# Altium PCB CT9042 Main Board with transformers.PcbDoc (part 1 of 2) (continued)
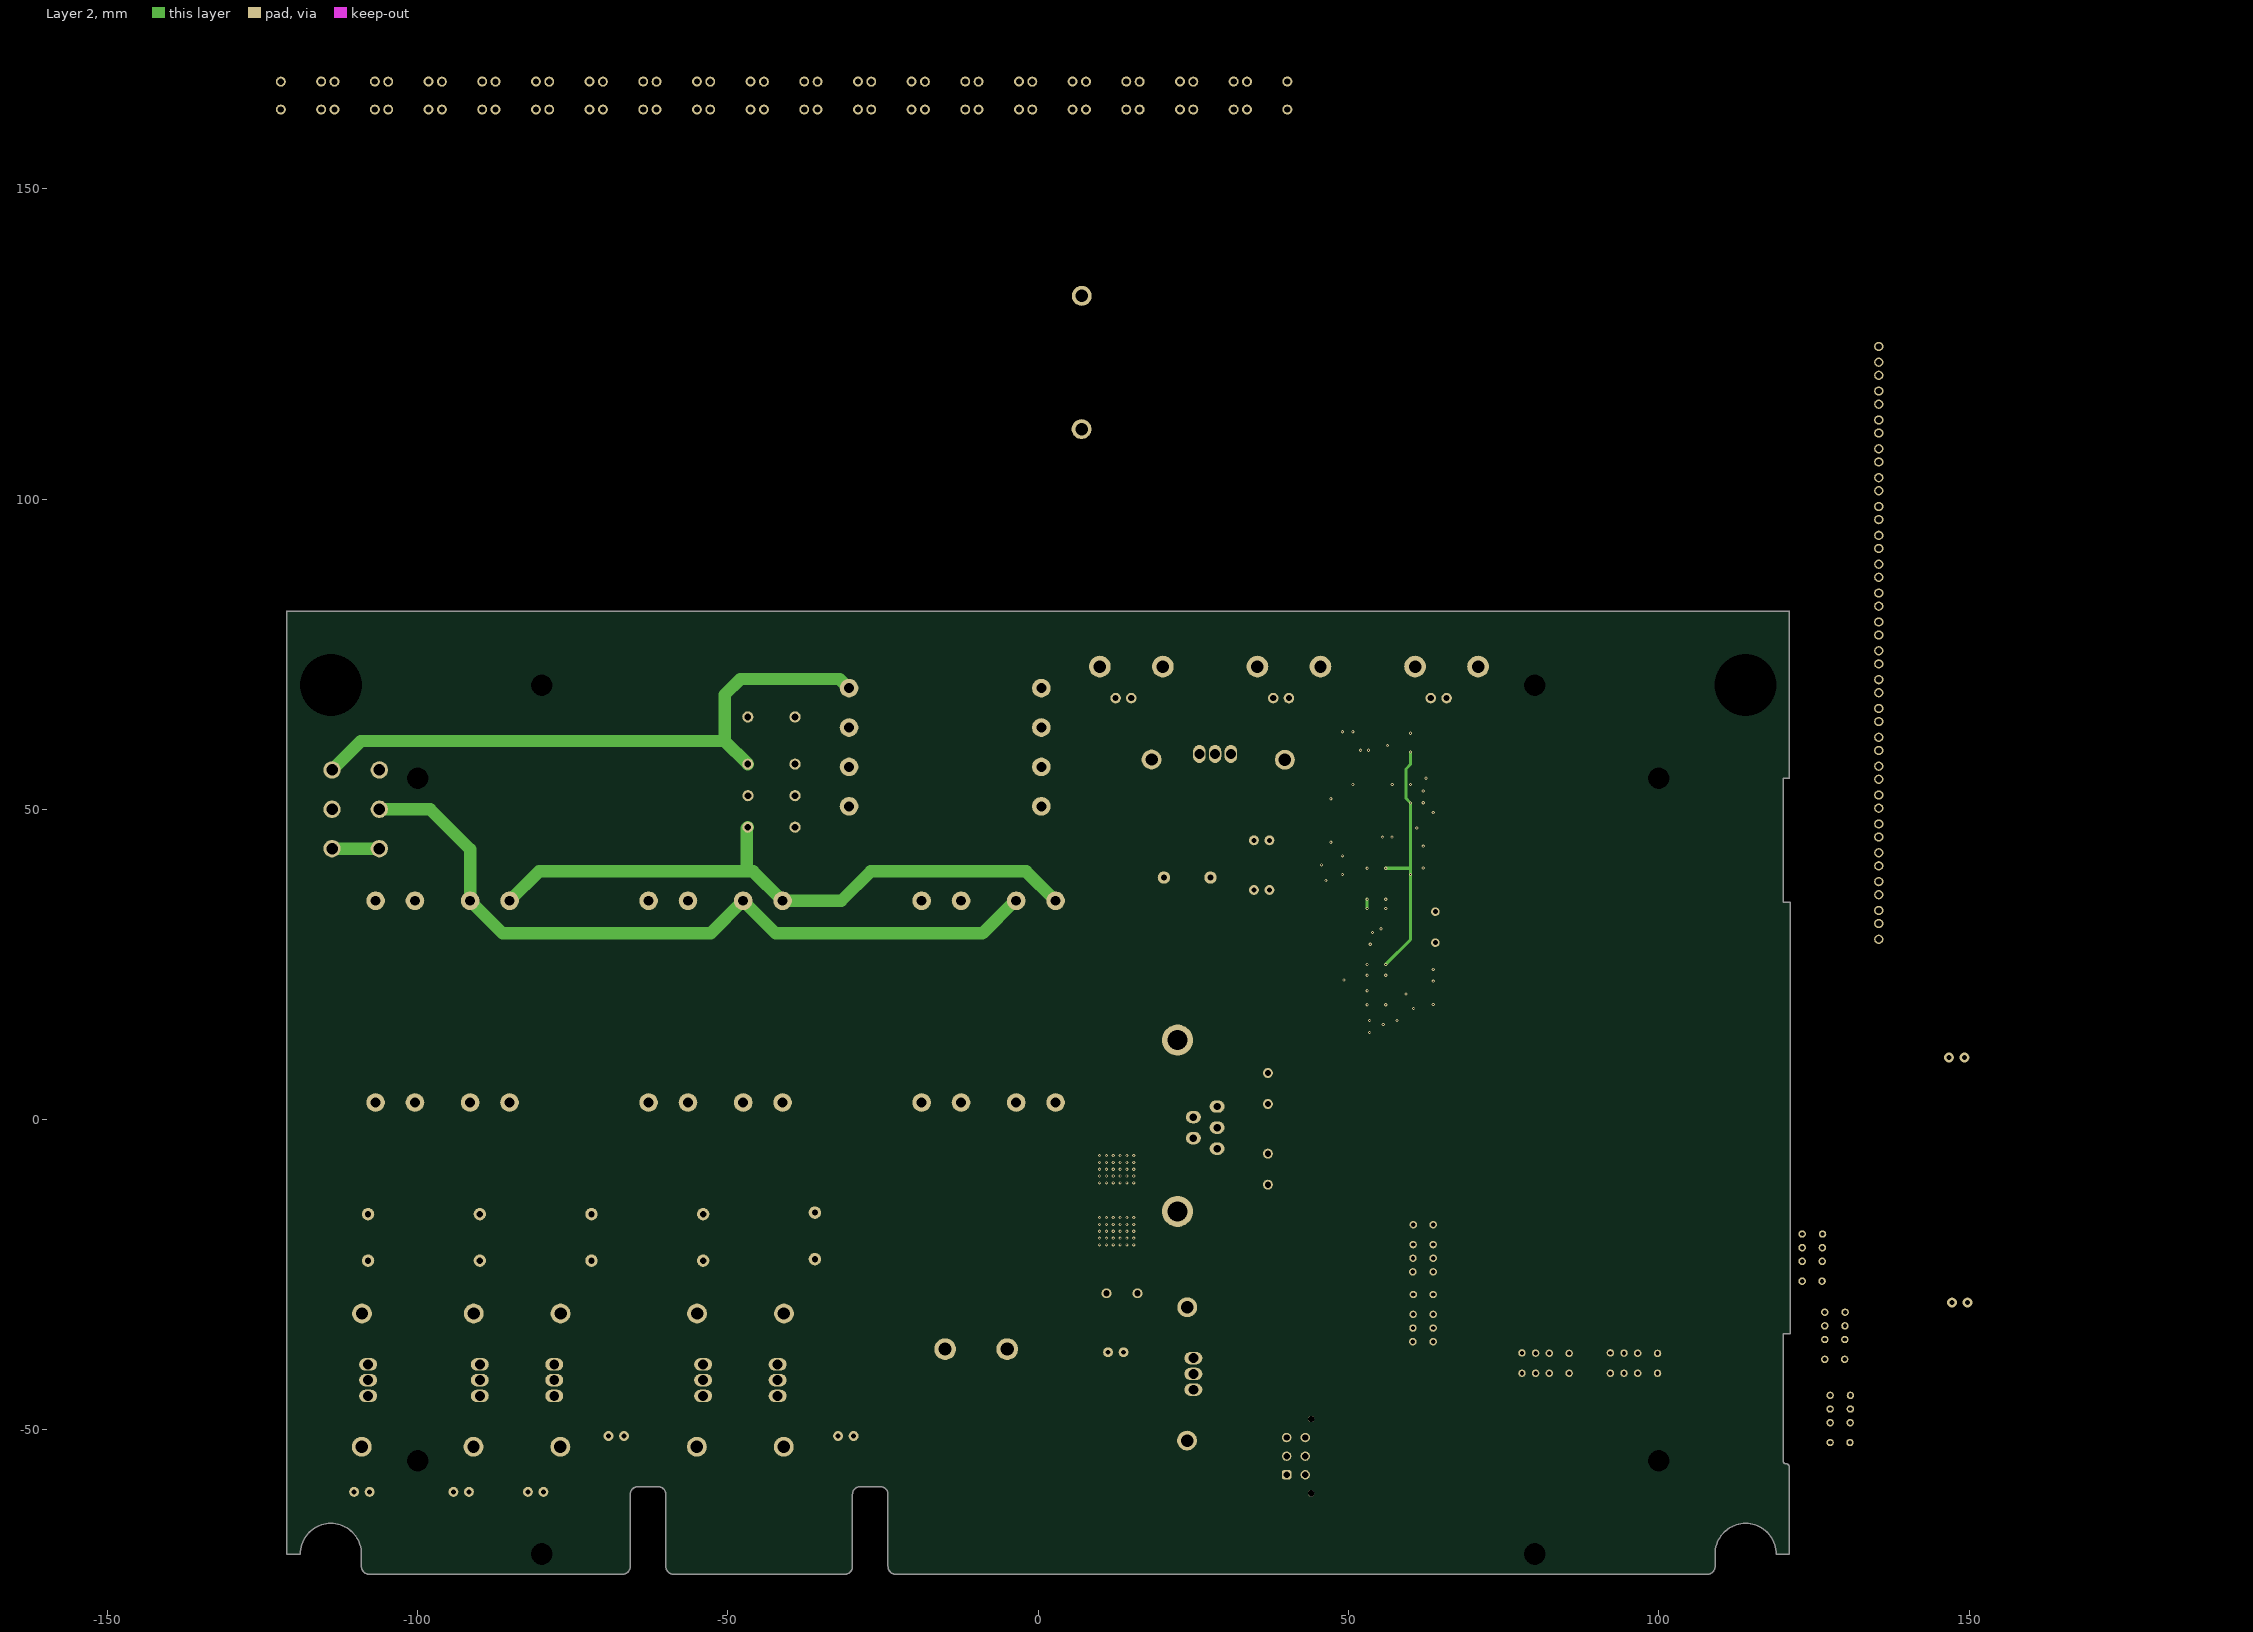
[diagram p3: Layer 2]

## Layer stack, top to bottom
Top Solder: solder mask 0.0102, Solder Resist, Dk 3.5
Top Layer: signal copper 0.0356
Dielectric 2: prepreg 0.1016, Core-009, Dk 4.5
Layer 1: signal copper 0.035
Dielectric 1: dielectric 1.45, FR-4, Dk 4.8
Layer 2: signal copper 0.035
Dielectric 3: prepreg 0.1016, Core-009, Dk 4.5
Bottom Layer: signal copper 0.0356
Bottom Solder: solder mask 0.0102, Solder Resist, Dk 3.5

## Board outline
-109.069,-72.005 ccw(c-107.774,-72.005) -107.774,-73.3 -67.045,-73.3 ccw(c-67.045,-72.005) -65.75,-72.005 -65.75,-60.401 cw(c-64.505,-60.401) -64.505,-59.157 -61.273,-59.157 cw(c-61.273,-60.401) -60.028,-60.401 -60.028,-72.005 ccw(c-58.733,-72.005) -58.733,-73.3 -31.232,-73.3 ccw(c-31.232,-72.005) -29.937,-72.005 -29.937,-60.401 cw(c-28.692,-60.401) -28.692,-59.157 -25.46,-59.157 cw(c-25.46,-60.401) -24.216,-60.401 -24.216,-72.005 ccw(c-22.92,-72.005) -22.92,-73.3 107.774,-73.3 107.775,-73.3 ccw(c107.774,-72.005) 109.069,-72.005 109.069,-70.508 109.075,-70.489 109.075,-70 cw(c114,-70) 118.925,-70 118.95,-70.025 121,-70.025 121.025,-70 121.025,-56 ccw(c120.5,-56) 120.5,-55.475 cw(c120.5,-55) 120.025,-55 120.025,-34.525 121.125,-34.525 121.15,-34.5 121.15,35 121.125,35.025 120.025,35.025 120.025,54.975 121,54.975 121.025,55 121.025,81.9 121,81.925 -121.111,81.925 -121.136,81.9 -121.136,-70 -121.111,-70.025 -118.95,-70.025 -118.925,-70 cw(c-114,-70) -109.075,-70 -109.075,-70.489 -109.069,-70.508

## Design rules (kind name [scope] priority, off if disabled: settings)
Clearance [All] p1: gap=0.15 ignorepadtopadclearanceinfootprint=FALSE
ComponentClearance [All] p1 off: gap=0.254 collisioncheckmode=3 verticalgap=0.254 showdistances=FALSE
Height [All] p1 off: minheight=0 maxheight=25.4 prefheight=12.7
PolygonConnect [All] p1: connectstyle=Relief reliefconductorwidth=0.254 reliefentries=4 polygonreliefangle="90 Angle" airgapwidth=0.254
RoutingVias [All] p1: holewidth=0.2 width=0.5 viastyle="Through Hole" minholewidth=0.2 minwidth=0.5 maxholewidth=0.3 maxwidth=0.5
SolderMaskExpansion [All] p1: expansion=0.102 istentingtop=FALSE
SupplyNets "Schematic Supply Nets_17" [InNet('P15VA')] p1: voltage=0.000
SupplyNets "Schematic Supply Nets_15" [InNet('FGND')] p2: voltage=0.000
SupplyNets "Schematic Supply Nets_14" [InNet('N5VA')] p3: voltage=0.000
SupplyNets "Schematic Supply Nets_13" [InNet('AGND')] p4: voltage=0.000
SupplyNets "Schematic Supply Nets_12" [InNet('P56V')] p5: voltage=0.000
SupplyNets "Schematic Supply Nets_11" [InNet('GND')] p6: voltage=0.000
SupplyNets "Schematic Supply Nets_10" [InNet('P5VA')] p7: voltage=0.000
SupplyNets "Schematic Supply Nets_9" [InNet('P40V')] p8: voltage=0.000
SupplyNets "Schematic Supply Nets_8" [InNet('N56V')] p9: voltage=0.000
SupplyNets "Schematic Supply Nets_7" [InNet('FP5VD')] p10: voltage=0.000
SupplyNets "Schematic Supply Nets_5" [InNet('N40V')] p11: voltage=0.000
SupplyNets "Schematic Supply Nets_4" [InNet('VREF')] p12: voltage=0.000
SupplyNets "Schematic Supply Nets_3" [InNet('P5VD')] p13: voltage=0.000
SupplyNets "Schematic Supply Nets_2" [InNet('P48V')] p14: voltage=0.000
SupplyNets "Schematic Supply Nets_1" [InNet('P5VREL')] p15: voltage=0.000
SupplyNets "Schematic Supply Nets" [InNet('N15VA')] p16: voltage=0.000
Width [All] p1: maxlimit=3 minlimit=0.15 preferedwidth=0.2
28 further rules are at their usual default settings.

## Classes and differential pairs
component class "CT9042 Toplevel": JX JY JZ
component class U_SWEEP: C33 C72 C73 C74 C75 C76 C77 C78 C79 C80 D22 D80 D81 D82 D83 D84 D85 D86 D87 D217 D220 D221 D222 D223 D224 D225 D226 D227 D228 D229 Q19 Q20 Q21 Q22 Q23 Q217 R31 R32 R33 R110 R138 R139 R140 R141 R142 R143 R144 R145 R146 R147 R148 R149 R154 R155 SW22 U7 U12 U16 U25 U1000 U1001 U1002
component class U_PSU: * *1 *2 C38 C39 C40 C41 C42 C43 C44 C45 C46 C47 C48 C49 C50 C51 C52 C53 C54 C55 C56 C57 C58 C59 C60 C61 C62 D46 D47 D48 D49 D50 D51 D52 D53 D54 D55 D56 D57 D58 D59 D60 D61 D62 D63 D64 D65 D66 D67 D68 D69 D70 D71 D72 D73 D74 D75 D79 HS1 HS2 HS3 HS4 HS5 HS6 J9 K12 SW21 TR1 TR2 TR3 TR4 U18 U19 U20 U21 U22 U23
component class U_PSU48: C63 C64 C65 C66 C67 D76 D77 D78 HS7 HS8 Q15 Q16 Q17 Q18 R132 R133 R134 R135 R136 R137 U24
component class U_PROCESSOR: U4 U5 U6
component class U_POWERMUX: D39 D40 D41 D42 D43 D44 D45 J3 J4 J5 J6 J7 J8 K6 K7 K8 K9 K10 K11 P1 P2 P3 P4 P5 P6 Q11 Q12 Q13 Q14 R119 R121 R122 R123 R124 R126 R128 R129 R130 R131 U17
component class U_POWERAMP: C26 C27 C28 C68 C69 C70 C71 C81 C83 C84 D34 D35 D36 D37 D215 D231 HS9 K1 K2 Q9 Q10 R78 R79 R80 R81 R82 R83 R84 R85 R86 R87 R88 R89 R90 R91 R92 R93 R94 R95 R96 R97 R98 R99 R100 R101 R102 R103 R104 R105 R106 R107 R108 R241 R242 R243 R257 R261 R314 R316 U11 U30 U31 U32 U213 VR202 VR211
component class U_MULTIPLIER: C29 C30 C31 C32 C34 C35 C36 C37 C82 C217 D38 R109 R111 R112 R113 R114 R115 R116 R117 R118 R150 R151 R152 R153 R218 R270 R271 R272 R273 R277 R278 R279 R280 U13 U14 U15 U26 U101
component class U_IBVG-DRIVER: C10 C11 C12 C13 C14 C15 C16 C17 C18 C19 C20 C21 C22 C23 C24 C25 C234 D23 D24 D25 D26 D27 D28 D29 D30 D31 D32 D33 K3 K4 K5 Q2 Q3 Q4 Q5 Q6 Q7 Q8 Q201 R34 R35 R36 R37 R38 R39 R40 R41 R42 R43 R44 R45 R46 R47 R48 R49 R50 R51 R52 R53 R54 R55 R56 R57 R58 R59 R60 R61 R62 R63 R64 R65 R66 R67 R68 R69 R70 R71 R72 R73 R74 R75 R76 R77 R207 U8 U9 U10 U203 U206 U208 U209
component class U_FrontPanel: C1 C2 C3 C4 C5 C6 C7 C8 C9 D1 D2 D3 D4 D5 D6 D7 D8 D9 D10 D11 D12 D13 D14 D15 D16 D17 D18 D19 D20 D21 DISP1 J1 J2 Q1 R1 R2 R3 R4 R5 R6 R7 R8 R9 R10 R11 R12 R13 R14 R15 R16 R17 R18 R19 R20 R21 R22 R23 R24 R25 R26 R27 R28 R29 R30 SW1 SW2 SW3 SW4 SW5 SW6 SW7 SW8 SW9 SW10 SW11 SW12 SW13 SW14 SW15 SW16 SW17 SW18 SW19 SW20 U1 U2 U3

## Components (designator, comment, footprint, x,y, rotation, side; value= is the part's Value field where it differs from the comment)
C1 "CAP0603" CAPC0603 129.949,134.86 r90 top
C2 "CAP0805" CAPC0805 129.749,131.785 r90 top
C3 "CAP0805" CAPC0805 129.749,121.285 r90 top
C4 "CAP0603" CAPC0603 129.949,145.46 r90 top
C5 "CAP0805" CAPC0805 129.749,107.285 r90 top
C6 "CAP0603" CAPC0603 129.949,142.81 r90 top
C7 "CAP0805" CAPC0805 129.749,110.785 r90 top
C8 "CAP0603" CAPC0603 129.949,140.16 r90 top
C9 "CAP0805" CAPC0805 129.749,117.785 r90 top
C10 "CAP0603" CAPC0603 129.399,58.26 r180 top
C11 "CAP0603" CAPC0603 129.949,148.11 r90 top
C12 "CAP0603" CAPC0603 129.399,59.81 r180 top
C13 "CAP0603" CAPC0603 129.399,61.36 r180 top
C14 "CAP0603" CAPC0603 129.399,56.71 r180 top
C15 "CAP0603" CAPC0603 129.399,52.06 r180 top
C16 "CAP0603" CAPC0603 129.399,53.61 r180 top
C17 "CAP0603" CAPC0603 129.399,55.16 r180 top
C18 "CAP0603" CAPC0603 129.399,62.91 r180 top
C19 "CAP0603" CAPC0603 129.399,70.66 r180 top
C20 "CAP0603" CAPC0603 129.399,72.21 r180 top
C21 "CAP0603" CAPC0603 129.949,161.36 r90 top
C22 "CAP0603" CAPC0603 129.399,73.76 r180 top
C23 "CAP0603" CAPC0603 129.399,69.11 r180 top
C24 "CAP0603" CAPC0603 129.399,64.46 r180 top
C25 "CAP0603" CAPC0603 129.399,66.01 r180 top
C26 "CAP0603" CAPAE-KEMET-ESL476M100AH9AA 37,5 r90 top
C27 "CAP0603" CAPC0603 46.75,-11.25 r180 top
C28 "CAP0603" CAPAE-KEMET-ESL476M100AH9AA 37,-8 r90 top
C29 "CAP0603" CAPC0603 129.399,35.01 r180 top
C30 "CAP0603" CAPC0603 129.399,36.56 r180 top
C31 "CAP0603" CAPC0603 129.949,158.71 r90 top
C32 "CAP0603" CAPC0603 129.399,38.11 r180 top
C33 "CAP0603" CAPC0603 49,38 r90 top
C34 "CAP0603" CAPC0603 129.399,28.81 r180 top
C35 "CAP0603" CAPC0603 129.399,30.36 r180 top
C36 "CAP0603" CAPC0603 129.399,31.91 r180 top
C37 "CAP0603" CAPC0603 129.399,39.66 r180 top
C38 "CAP0603" CAPAE-RUBYCON-35ZLH2200MEFC16X25 24,39 r180 top
C39 "CAP0603" CAPAE-KEMET-ESW476M035AE3AA 36,45 r180 top
C40 "CAP0603" CAPAE-KEMET-ESW476M035AE3AA 36,37 r180 top
C41 "CAP0805" CAPC0805 26,55 r0 top
C42 "CAP0805" CAPC0805 30,55 r180 top
C43 "CAP0603" CAPAE-RUBYCON-35ZLH2200MEFC16X25 -108,-19 r90 top
C44 "CAP0603" CAPAE-KEMET-ESW476M035AE3AA -109,-60 r0 top
C45 "CAP0805" CAPC0805 -112,-40 r270 top
C46 "CAP0805" CAPC0805 -112,-44 r90 top
C47 "CAP0603" CAPAE-RUBYCON-35ZLH2200MEFC16X25 -90,-19 r90 top
C48 "CAP0603" CAPAE-KEMET-ESW476M035AE3AA -93,-60 r0 top
C49 "CAP0805" CAPC0805 -94,-40 r270 top
C50 "CAP0805" CAPC0805 -94,-44 r90 top
C51 "CAP0603" CAPAE-RUBYCON-35ZLH2200MEFC16X25 -72,-19 r90 top
C52 "CAP0603" CAPAE-KEMET-ESW476M035AE3AA -81,-60 r0 top
C53 "CAP0805" CAPC0805 -74,-44 r90 top
C54 "CAP0805" CAPC0805 -74,-40 r90 top
C55 "CAP0603" CAPAE-RUBYCON-35ZLH2200MEFC16X25 -54,-19 r90 top
C56 "CAP0603" CAPAE-KEMET-ESW476M035AE3AA -68,-51 r0 top
C57 "CAP0805" CAPC0805 -58,-40 r270 top
C58 "CAP0805" CAPC0805 -58,-44 r90 top
C59 "CAP0603" CAPAE-RUBYCON-35ZLH2200MEFC16X25 -36,-18.75 r90 top
C60 "CAP0603" CAPAE-KEMET-ESW476M035AE3AA -31,-51 r0 top
C61 "CAP0805" CAPC0805 -38,-44 r90 top
C62 "CAP0805" CAPC0805 -38,-40 r90 top
C63 "CAP0805" CAPC0805 20.468,-45.882 r180 top
C64 "CAP0805" CAPC0805 20.497,-41.041 r180 top
C65 "CAP0603" CAPAE-NICHICON-LGY2A222MELC30 -10,-37 r180 top
C66 "CAP0603" CAPAE-PANASONIC-ECA-2AM4R7I 12.5,-37.5 r180 top
C67 "CAP0603" CAPAE-KEMET-ESL476M100AH9AA 13.5,-28 r180 top
C68 "CAP0603" CAPC0603 54.5,8.25 r180 top
C69 "CAP0603" CAPC0603 158.119,-72.365 r0 top
C70 "CAP0603" CAPC0603 54.5,-8 r180 top
C71 "CAP0603" CAPC0603 54.5,2.75 r180 top
C72 "CAPF" CAPF50P720X720 64,31 r270 top
C73 "CAP0603" CAPC0603 54.5,25 r180 top
C74 "CAP0603" CAPC0603 54.5,23.25 r180 top
C75 "CAP0603" CAPC0603 54.5,34 r0 top
C76 "CAP0603" CAPC0603 54.5,18.5 r180 top
C77 "CAP0603" CAPC0603 54.5,40.5 r180 top
C78 "CAP0603" CAPC0603 60,60.75 r90 top
C79 "CAP0603" CAPC0603 60,52.5 r90 top
C80 "CAP0603" CAPC0603 54.5,35.5 r180 top
C81 "CAP0603" CAPC0603 64.25,-10.5 r270 top
C82 "CAP0603" CAPC0603 151.369,-64.365 r90 top
C83 "CAP0603" CAPC0603 145.119,-72.365 r0 top
C84 "CAP0603" CAPC0603 54.5,-13.5 r180 top
C217 "CAP0603" CAPC0603 129.399,104.76 r180 top
C234 "CAP0603" CAPC0603 129.399,76.86 r180 top
D1 "LED-3MM-GREEN" LED-3MM-GREEN 135.449,72.161 r90 top
D2 "LED-3MM-GREEN" LED-3MM-GREEN 135.449,67.511 r90 top
D3 "LED-3MM-GREEN" LED-3MM-GREEN 135.449,81.461 r90 top
D4 "LED-3MM-GREEN" LED-3MM-GREEN 135.449,76.811 r90 top
D5 "LED-3MM-GREEN" LED-3MM-GREEN 135.449,62.861 r90 top
D6 "LED-3MM-GREEN" LED-3MM-GREEN 135.449,48.911 r90 top
D7 "LED-3MM-GREEN" LED-3MM-GREEN 135.449,44.261 r90 top
D8 "LED-3MM-GREEN" LED-3MM-GREEN 135.449,58.211 r90 top
D9 "LED-3MM-GREEN" LED-3MM-GREEN 135.449,53.561 r90 top
D10 "LED-3MM-GREEN" LED-3MM-GREEN 135.449,86.111 r90 top
D11 "LED-3MM-GREEN" LED-3MM-GREEN 135.449,114.011 r90 top
D12 "LED-3MM-GREEN" LED-3MM-GREEN 135.449,118.661 r90 top
D13 "LED-3MM-GREEN" LED-3MM-GREEN 135.449,123.311 r90 top
D14 "LED-3MM-GREEN" LED-3MM-GREEN 135.449,109.361 r90 top
D15 "LED-3MM-GREEN" LED-3MM-GREEN 135.449,95.411 r90 top
D16 "LED-3MM-GREEN" LED-3MM-GREEN 135.449,90.761 r90 top
D17 "LED-3MM-GREEN" LED-3MM-GREEN 135.449,104.711 r90 top
D18 "LED-3MM-GREEN" LED-3MM-GREEN 135.449,100.061 r90 top
D19 "LED-3MM-GREEN" LED-3MM-GREEN 135.449,39.611 r90 top
D20 "LED-3MM-GREEN" LED-3MM-GREEN 135.449,30.311 r90 top
D21 "LED-3MM-GREEN" LED-3MM-GREEN 135.449,34.961 r90 top
D22 "CMPD6001S" SOT23 64,23.25 r0 top
D23 "CMPD6001S" SOT23 136.024,159.961 r90 top
D28 "CMPD6001S" SOT23 136.024,156.111 r90 top
D29 "CMPD6001S" SOT23 128.974,-66.29 r90 top
D30 "CMPD6001S" SOT23 128.974,-70.14 r90 top
D31 "BAS16" SOT23 124.369,-71.365 r0 top
D32 "BAS16" SOT23 129.869,-71.365 r0 top
D33 "BAS16" SOT23 135.869,-71.365 r0 top
D34 "NRVA4007" DO214AC 35.25,-32 r180 top
D35 "NRVA4007" DO214AC 35.25,-28 r180 top
D36 "BAS16" SOT23 67.75,-32.75 r0 top
D37 "BAS16" SOT23 67.75,-36.5 r0 top
D38 "CMPD6001S" SOT23 136.024,167.661 r90 top
D46 "S2J" DO214AC 12,45 r180 top
D47 "NRVA4007" DO214AC 28,51 r0 top
D48 "S2J" DO214AC 12,57 r180 top
D49 "S2J" DO214AC 12,49 r180 top
D50 "NRVA4007" DO214AC 35,53 r90 top
D51 "S2J" DO214AC 12,53 r180 top
D52 "S2J" DO214AC -24,-5 r90 top
D53 "S2J" DO214AC -9,-5 r90 top
D54 "S2J" DO214AC -19,-5 r90 top
D55 "S2J" DO214AC -14,-5 r90 top
D56 "NRVA4007" DO214AC -116,-42 r270 top
D57 "NRVA4007" DO214AC -114,-49 r0 top
D58 "NRVA4007" DO214AC -98,-42 r270 top
D59 "S2J" DO214AC -105,-5 r90 top
D60 "NRVA4007" DO214AC -96,-49 r0 top
D61 "S2J" DO214AC -87,-5 r90 top
D62 "S2J" DO214AC -100,-5 r90 top
D63 "NRVA4007" DO214AC -72,-36 r0 top
D64 "S2J" DO214AC -92,-5 r90 top
D65 "NRVA4007" DO214AC -70,-42 r270 top
D66 "NRVA4007" DO214AC -62,-42 r270 top
D67 "NRVA4007" DO214AC -48,-60 r90 top
D68 "NRVA4007" DO214AC -87,-60 r90 top
D69 "S2J" DO214AC -61,-5 r90 top
D70 "NRVA4007" DO214AC -60,-49 r0 top
D71 "S2J" DO214AC -42,-5 r90 top
D72 "S2J" DO214AC -56,-5 r90 top
D73 "NRVA4007" DO214AC -36,-36 r0 top
D74 "S2J" DO214AC -47,-5 r90 top
D75 "NRVA4007" DO214AC -34,-42 r270 top
D76 "Z1SMA33" DO214AC 134.249,-11.689 r180 top
D77 "NRVA4007" DO214AC 134.249,19.361 r180 top
D78 "Z1SMA24" DO214AC 16,-43.5 r270 top
D79 "S2J" DO214AC -98,-31 r90 top
D80 "BAS16" SOT23 64,48.5 r0 top
D81 "BAS16" SOT23 46,49 r0 top
D82 "BAS16" SOT23 46,59.5 r0 top
D83 "BAS16" SOT23 46,63 r0 top
D84 "BAS16" SOT23 46,56 r0 top
D85 "BAS16" SOT23 46,45.5 r0 top
D86 "BAS16" SOT23 46,52.5 r0 top
D87 "CMPD6001S" SOT23 64,52 r0 top
D215 "NRVA4007" DO214AC 35.25,25.75 r180 top
D231 "NRVA4007" DO214AC 35.25,29.75 r180 top
Designator25 "Comment" CAPAE-KEMET-ESW476M035AE3AA 148.5,-29.5 r0 top
Designator36 "Comment" CAPAE-PANASONIC-ECA-2AM4R7I 148,10 r0 top
HS1 "HEATSINK-CUI-HSS06-C20-P32" HEATSINK-CUI-HSS06-C20-P32 29,58 r0 top
HS2 "HEATSINK-CUI-HSS06-C20-P32" HEATSINK-CUI-HSS06-C20-P32 -109,-42 r270 top locked
HS3 "HEATSINK-CUI-HSS06-C20-P32" HEATSINK-CUI-HSS06-C20-P32 -91,-42 r270 top
HS4 "HEATSINK-CUI-HSS06-C20-P32" HEATSINK-CUI-HSS06-C20-P32 -77,-42 r90 top
HS5 "HEATSINK-CUI-HSS06-C20-P32" HEATSINK-CUI-HSS06-C20-P32 -55,-42 r270 top
HS6 "HEATSINK-CUI-HSS06-C20-P32" HEATSINK-CUI-HSS06-C20-P32 -41,-42 r90 top
HS7 "HEATSINK-CUI-HSS06-C20-P32" HEATSINK-CUI-HSS06-C20-P32 24,-41 r270 top locked
HS8 "HEATSINK-CUI-HSC-05" HEATSINK-CUI-HSS06-C20-P32 7,122 r90 top
HS9 "HEATSINK-CUI-HSS01-B20-CP" HEATSINK-CUI-HSS01-B20-CP 18,-1 r90 top
J3 "CONN-MOLEX-430450613" CONN-MOLEX-430450613 42,-54.25 r270 top
JX "x" CONN-BNC-RA-TE-CONBNC002 65.8,73 r90 top locked
JY "Y" CONN-BNC-RA-TE-CONBNC002 40.4,73 r90 top locked
JZ "Z" CONN-BNC-RA-TE-CONBNC002 15,73 r90 top locked
K1 "RELAY-KEMET-UA2-5NJ" RELAY-KEMET-UA2-5NJ 62,-32 r270 top
K2 "RELAY-KEMET-UA2-5NJ" RELAY-KEMET-UA2-5NJ 62,-20.75 r270 top
K3 "RELAY-KEMET-UA2-5NJ" RELAY-KEMET-UA2-5NJ 124.75,-22.25 r90 top
K4 "RELAY-KEMET-UA2-5NJ" RELAY-KEMET-UA2-5NJ 129.25,-48.25 r90 top
K5 "RELAY-KEMET-UA2-5NJ" RELAY-KEMET-UA2-5NJ 128.388,-34.85 r90 top
K6 "RELAY-IXYS-CPC1907B" SO508P1676-8N 84.5,-54.25 r270 top
K7 "RELAY-KEMET-UA2-5NJ" RELAY-KEMET-UA2-5NJ 96,-39.25 r180 top
K8 "RELAY-IXYS-LCA701S" SO254P960-6N 110.5,-59.75 r90 top
K9 "RELAY-IXYS-CPC1907B" SO508P1676-8N 62.5,-54.25 r270 top
K10 "RELAY-KEMET-UA2-5NJ" RELAY-KEMET-UA2-5NJ 81.75,-39.25 r180 top
K11 "RELAY-IXYS-LCA701S" SO254P960-6N 110.5,-48.75 r90 top
K12 "RELAY-CIT-J104B2C5VDC.20S" RELAY-CIT-J104B2C5VDC.20S -43,56 r270 top
LOGO1 "LOGO-LICENSE-CC0-PUBLIC" LOGO-LICENSE-CC0-PUBLIC -69.86,45.692 r0 top
LOGO2 "LOGO-LICENSE-CC" LOGO-LICENSE-CC -55.76,45.692 r0 top
LOGO3 "SILICONVALLEYGARAGE" SILICONVALLEYGARAGE -88,48 r0 top
Q1 "BC847B" SOT23 128.974,-4.69 r90 top
Q2 "BC847B" SOT23 128.974,-0.84 r90 top
Q3 "BC857" SOT23 128.974,3.01 r90 top
Q4 "BC847B" SOT23 128.974,-16.24 r90 top
Q5 "BC857" SOT23 128.974,-12.39 r90 top
Q6 "BC847B" SOT23 128.974,-8.54 r90 top
Q7 "BC847B" SOT23 128.974,18.41 r90 top
Q8 "BC847B" SOT23 128.974,22.26 r90 top
Q9 "BC847B" SOT23 67.75,-27 r0 top
Q10 "BC847B" SOT23 67.75,-23 r0 top
Q11 "BC847B" SOT23 107.5,-39.25 r90 top
Q12 "BC847B" SOT23 114.25,-39.25 r90 top
Q13 "BC847B" SOT23 114.25,-33.25 r90 top
Q14 "BC847B" SOT23 107.5,-33.25 r90 top
Q15 "DMN10H170" DPAK 9,-8 r0 top
Q16 "DMP10H400" DPAK 9,-18 r0 top
Q17 "BC857" SOT23 -6,-14 r90 top
Q18 "BC847B" SOT23 -2,-14 r90 top
Q19 "BC857" SOT23 64,38 r0 top
Q20 "SI2336" SOT23 64,41.5 r0 top
Q21 "SI2336" SOT23 64,45 r0 top
Q22 "SI2336" SOT23 64,19.5 r0 top
Q23 "SI2336" SOT23 46,42 r0 top
Q201 "BC857" SOT23 128.974,-58.59 r90 top
R1 "RESC0603" RESC0603 129.949,137.51 r90 top value=10K
R2 "RESC0603" RESC0603 129.949,166.66 r90 top value=10K
R3 "RESC0603" RESC0603 129.949,164.01 r90 top value=10K
R4 "RESC0603" RESC0603 137,-69.31 r90 top value=10K
R5 "TRIMMER-BOURNS-TC33X-2-501E" TRIMMER-BOURNS-TC33 135.899,128.311 r90 top value=500R
R6 "RESC0805" RESC0805 129.749,114.285 r90 top
R7 "RESC0603" RESC0603 126.474,-65.44 r90 top value=511R
R8 "RESC0603" RESC0603 126.474,-68.09 r90 top value=511R
R9 "RESC0603" RESC0603 129.949,153.41 r90 top value=511R
R10 "RESC0603" RESC0603 129.399,86.16 r180 top value=511R
R11 "RESC0603" RESC0603 129.949,156.06 r90 top value=511R
R12 "RESC0603" RESC0603 129.399,84.61 r180 top value=511R
R13 "RESC0603" RESC0603 129.399,87.71 r180 top value=511R
R14 "RESC0603" RESC0603 129.399,90.81 r180 top value=511R
R15 "RESC0603" RESC0603 129.399,89.26 r180 top value=511R
R16 "RESC0603" RESC0603 129.399,83.06 r180 top value=511R
R17 "RESC0603" RESC0603 129.399,93.91 r180 top value=511R
R18 "RESC0603" RESC0603 129.399,97.01 r180 top value=511R
R19 "RESC0603" RESC0603 129.399,100.11 r180 top value=511R
R20 "RESC0603" RESC0603 129.399,98.56 r180 top value=511R
R21 "RESC0603" RESC0603 129.949,150.76 r90 top value=511R
R22 "RESC0603" RESC0603 129.399,44.31 r180 top value=511R
R23 "RESC0603" RESC0603 129.399,42.76 r180 top value=511R
R24 "RESC0603" RESC0603 129.399,41.21 r180 top value=511R
R25 "RESC0603" RESC0603 129.399,45.86 r180 top value=511R
R26 "RESC0603" RESC0603 129.399,50.51 r180 top value=511R
R27 "RESC0603" RESC0603 129.399,48.96 r180 top value=511R
R28 "RESC0603" RESC0603 129.399,47.41 r180 top value=511R
R29 "RESC0603" RESC0603 111.639,163.008 r90 top value=10K
R30 "RESC0603" RESC0603 110.089,163.008 r90 top value=10K
R31 "RESC0603" RESC0603 64,26 r0 top value=511R
R32 "RESC0603" RESC0603 49,41 r270 top value=2K05
R33 "RESC0603" RESC0603 60,38 r270 top value=50K
R34 "RESC0603" RESC0603 117.839,163.008 r90 top value=2K37
R35 "TRIMMER-BOURNS-3214X-1-501" TRIMMER-BOURNS-3214X 171.8,17.5 r0 top value=500R
R36 "RESC1206" RESC1206 4.614,169.558 r0 top value=1K